# Altium PCB Radxa CM5 IO Board v2200.PcbDoc (part 7 of 8) (continued)
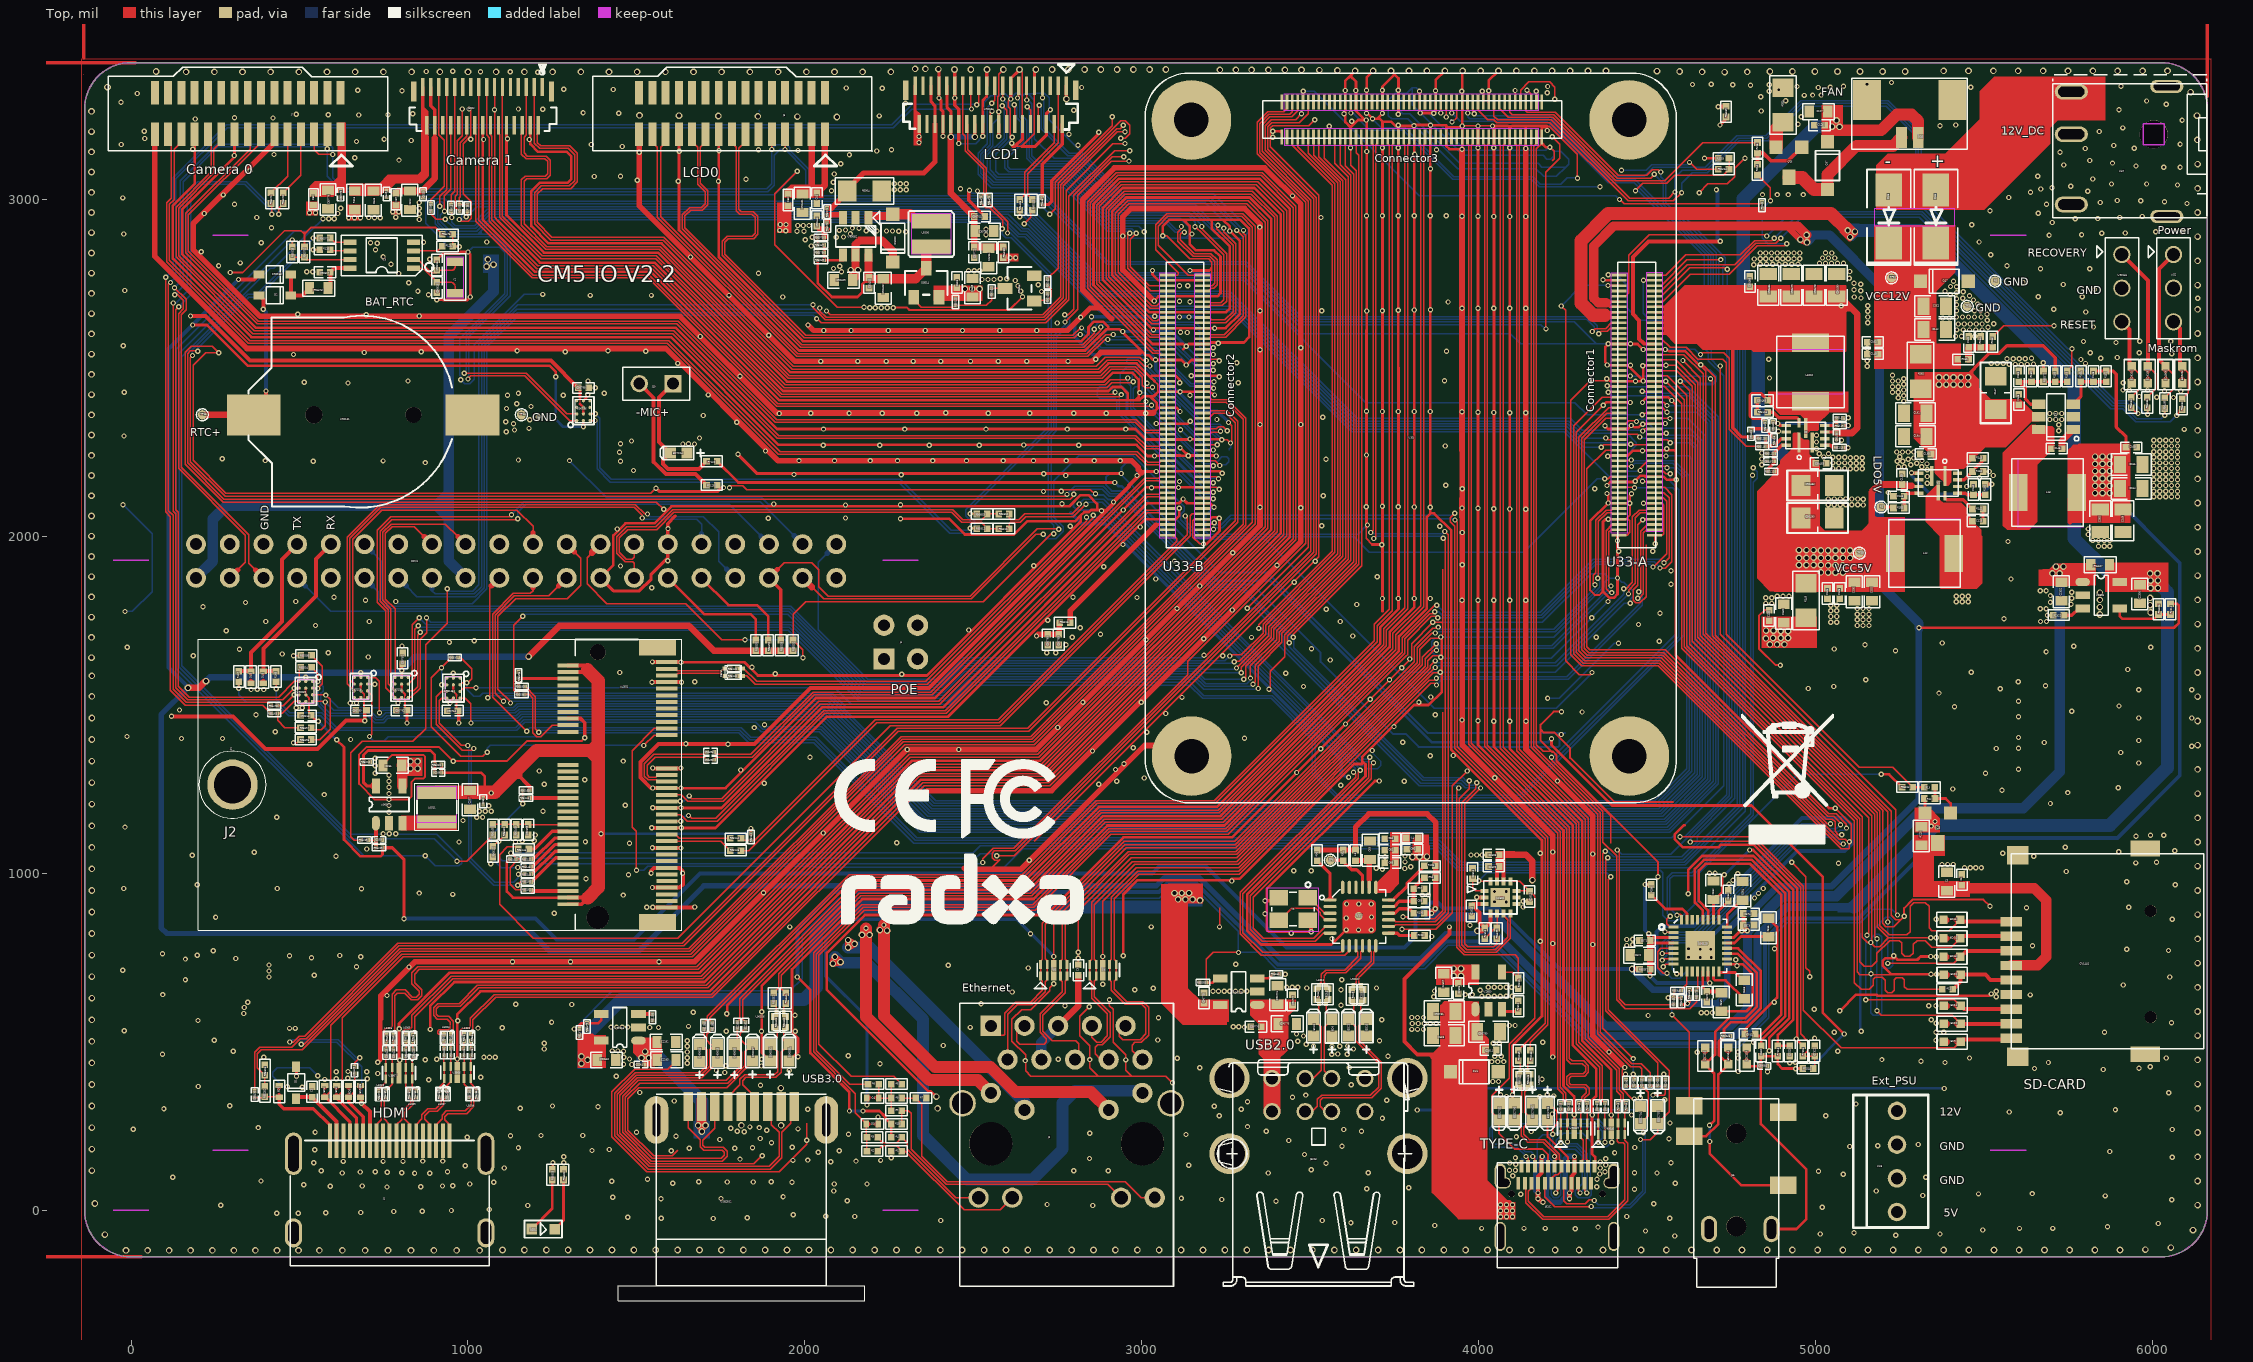
[diagram p0: Top view]
## Nets (pads, with @x,y where several pads share a name; then routed paths per layer and width w, separated by ;. In a path a pad name is that pad's centre, name@x,y a point inside that pad or via, vN(x,y) a via of type N, cw(c..) or ccw(c..) an arc to the next point about the centre after c; other vN are vias at no path point) (continued)
USBC_D+: ESD2706.1 J8202.A6 J8202.B6 L90020.3 R95547.2 | length 479.4
  Top w3.94: R95547.2@4117.13,372.05 4117.86,372.05 4117.86,372.79 4123.03,367.62 L90020.3@4123.03,365.16 4127.12,361.07 4127.12,290.21 ESD2706.1@4104.57,267.65 4125,247.22 4125,221.46 4144.69,201.77 4190.94,201.77 4230.31,162.4 4230.31,151.43 4224.95,146.06 J8202.A6@4224.95,130.51 ; v1(4228.35,51.18) 4234.25,57.09 4234.25,79.33 J8202.B6@4234.79,79.33
  Bottom w3.94: v1(4224.41,159.45) 4228.35,155.51 v1(4228.35,51.18)
USBC_D-: ESD27052.1 J8202.A7 J8202.B7 L90020.4 R95546.2 | length 415.3
  Top w3.94: R95546.2@4151.57,372.05 4144.69,372.05 L90020.4@4144.69,365.16 4144.69,360.24 4136.15,351.7 4136.15,290.21 ESD27052.1@4158.7,267.65 4154.53,267.65 4132.87,246 4132.87,225.39 4148.62,209.65 4194.88,209.65 4238.19,166.34 4238.19,151.57 4244.63,145.13 J8202.A7@4244.63,130.51 4242.13,128.01 4242.13,114.17 4233.27,105.31 4226.38,105.31 4215.1,94.04 J8202.B7@4215.1,79.33
USBHP_1N: D90032.1 L90026.3 R95553.2 USB2502.2 | length 374.7
  Top w3.94: USB2502.2@1771.72,307.18 1771.72,336.71 1807.09,372.07 1807.09,387.8 1820.87,401.57 1909.37,401.57 1919.21,411.42 1919.21,469.96 D90032.1@1896.65,492.52 1917.32,513.19 1917.32,530.51 1915.35,532.48 L90026.3@1915.35,536.42 1915.35,543.31 R95553.2@1908.46,543.31
USBHP_1P: D90031.1 L90026.4 R95550.2 USB2502.3 | length 373.2
  Top w3.94: USB2502.3@1850.46,307.18 1850.46,336.71 1814.96,372.2 1814.96,383.86 1824.8,393.7 1913.39,393.7 1929.13,409.45 1929.13,468.9 D90031.1@1952.76,492.52 1948.43,492.52 1937.01,503.94 L90026.4@1937.01,536.42 1937.01,538.88 1942.18,544.05 1942.18,543.31 R95550.2@1942.91,543.31
VBUS5V0_TYPEC: C658.1 C2611.1 C90780.1 C90781.1 D41.2 J8202.A4 J8202.A9 J8202.B4 J8202.B9 U2602.2 U2603.1 | length 3047.7
  Top w7.87: U2603.1@3989.17,596.45 3989.17,606.3 3978.04,617.43 3899.91,617.43 3888.78,606.3 3888.78,487.2 3863.19,461.61 3863.19,54.13 3940.94,-23.62 4060.04,-23.62 v1(4063.98,-19.69)
  Top w11.81: 3863.19,461.61 3816.93,461.61 3778.54,500 3778.54,686.02 3912.4,819.88 v1(3912.4,840.55) ; v1(3993.11,928.15) 3993.34,927.92 U2602.2@4015.97,927.92 ; C2611.1@4019.69,475.39 4019.69,86.58 4081.66,24.61 4090.55,24.61 v1(4099.41,15.75) ; v1(4175.2,51.18) 4175.73,58.85 J8202.B9@4175.73,79.33 4175.73,100 4185.58,109.84 J8202.A4@4185.58,130.51 4185.58,157.03 v1(4187.99,159.45) ; v1(4268.7,51.18) 4274.16,56.64 J8202.B4@4274.16,79.33 4274.16,100 4284,109.84 J8202.A9@4284,130.51 4284,151.39 v1(4283.46,159.45)
  Top w15.75: v1(4175.2,51.18) v1(4175.2,33.46) v1(4189.96,23.62) ; v1(4268.7,33.46) v1(4268.7,51.18)
  Top w19.68: C90780.1@3995.08,529.53 4019.69,504.92 C2611.1@4019.69,475.39
  Top w23.62: U2603.1@3989.17,596.45 3989.17,529.53 C90780.1@3995.08,529.53
  Power w11.81: v1(3912.4,840.55) 3993.11,921.26 v1(3993.11,928.15)
  Power w15.75: v1(4175.2,51.18) 4187.99,63.98 v1(4187.99,159.45)
  Bottom w15.75: v1(4175.2,51.18) 4168.9,57.48 4168.9,129.92 4183.37,144.39 4187.99,149.03 v1(4187.99,159.45) 4191.99,152.5 4206.69,137.8 4206.69,74.8 4200.79,68.9 4200.79,39.77 4216.93,23.62 4239.76,23.62 4255.91,39.77 4255.91,152.56 4263.78,160.43 4282.48,160.43 v1(4283.46,159.45)
  other v1: 4081.69,-19.69 4099.41,-19.69 4063.98,-1.97 4081.69,-1.97 4099.41,-1.97 4063.98,15.75 4081.69,15.75
VCC3V3_SD: C4.1 C5.1 CN14A1.4 Q1.3 R220.2 | length 594.8
  Top w31.5: C4.1@5386.81,955.71 5647.64,955.71 5684.06,919.29 5684.06,751.97 5658.46,726.38 CN14A1.4@5579.5,726.38
VCC3V3_SYS: C148.1 C149.1 C150.1 C154.1 C155.1 C156.1 CON1.1 CON1.17 FB2.1 FB6.1 FB7.1 L13.2 R4.2 R10.2 R157.1 R95530.1 | length 14548.5
  Top w7.87: v1(1977.36,691.93) 2015.75,653.54 2015.75,466.09 2131.89,349.94 v1(2131.89,294.29) ; v1(2172.24,294.29) 2221.09,294.29 2238.19,277.19 2238.19,273.62 R10.2@2255.91,255.91 R4.2@2255.91,216.54
  Top w9.84: C148.1@5823.82,2490.16 R157.1@5861.22,2490.16 5882.87,2490.16 5891.73,2481.3 5891.73,2323.82 5920.28,2295.28 C150.1@5920.28,2263.78
  Top w15.75: 5753.94,2042.32 5753.94,2110.24 L13.2@5773.62,2129.92 5773.62,2158.46 5753.94,2178.15 5753.94,2250.98 5766.73,2263.78 C150.1@5920.28,2263.78
  Power w3.94: v2@1074.8,2812.01 1075.79,2811.02 v2(1075.79,2806.1)
  Power w11.81: v1@777.56,2962.6 v1(794.29,2962.6)
  Power w78.74: v2@1074.8,2812.01 1149.61,2886.81 1919.29,2886.81 2075.79,2730.31 2348.43,2730.31 2457.68,2839.57 3336.61,2839.57 3341.54,2834.65 3531.5,2834.65
  Power w98.43: 3531.5,2834.65 4258.86,2834.65 4320.87,2896.65 4480.31,2896.65 4681.1,2695.87 4867.13,2695.87 5247.05,2315.94 5506.89,2315.94 5651.57,2171.26 v2(5828.74,2171.26)
  Bottom w7.87: v1(2131.89,294.29) v1(2172.24,294.29)
  Bottom w11.81: v1(1977.36,691.93) 1977.36,834.62 2087.63,944.88 3050.23,944.88 3074.83,969.49 3162.4,969.49 3403.54,728.35 3834.11,728.35 3903.01,797.24 4040.24,797.24 4342.41,495.08 4767.26,495.08 4848.43,576.24 4848.43,804.76 4908.83,865.16 5125.98,865.16 5365.16,1104.33 5894.69,1104.33 6079.72,1289.37 6079.72,1920.28 v2(5872.05,2127.95)
  Bottom w31.5: CON1.1@192.94,1876.36 243.11,1926.53 243.11,2051.18 282.48,2090.55 905.51,2090.55 ; CON1.17@992.94,1876.36 942.91,1926.39 942.91,2055.45 ; v2(1075.79,2806.1) 1075.79,2725.39 942.91,2592.52 942.91,2127.95 ; 905.51,2090.55 907.81,2090.55 ; 905.51,2090.55 942.91,2127.95 ; 907.81,2090.55 942.91,2055.45 ; 907.81,2090.55 942.91,2090.55 ; 942.91,2055.45 942.91,2090.55 ; 942.91,2090.55 942.91,2127.95
  other v1: 2608.27,2826.77 2625,2826.77 1942.91,2906.5 1925.2,2907.48 1926.18,2925.2 1943.9,2925.2 785.43,2946.85 529.53,2959.65 547.24,2959.65 776.57,2962.6
  other v2: 5828.74,2127.95 5850.39,2127.95 5828.74,2149.61 5850.39,2149.61 5872.05,2149.61 5850.39,2171.26 5872.05,2171.26 5828.74,2192.91 5850.39,2192.91 5872.05,2192.91 5828.74,2214.57 5850.39,2214.57 5872.05,2214.57 5828.74,2236.22 5850.39,2236.22 5872.05,2236.22 1055.12,2800.2 1059.06,2821.85
VCC3V3_WF: C266.1 C267.1 C268.1 L5011.2 R95151.2 R95153.2 R95154.2 R95281.1 U4301.2 U4301.4 U4301.72 U4301.74 U90135.A2 | length 3074.9
  Top w3.94: 1386.81,1116.14 1394.69,1116.14 v1(1394.69,1117.13)
  Top w7.87: R95281.1@921.26,1321.85 C266.1@921.26,1298.23 1038.39,1298.23 1050.2,1286.42 1050.2,1240.28 ; U90135.A2@956.7,1578.74 v1(956.69,1593.5) ; R95154.2@1124.96,1042.31 1115.16,1032.51 1115.16,945.87 1133.51,927.52 U4301.72@1296.47,927.52 ; R95151.2@1839.57,1117.13 v1(1839.57,1132.87)
  Top w9.84: C267.1@1003.94,1240.28 1003.94,1245.08 C267.1@1005.91,1245.08 ; C268.1@1045.28,1223.43 1045.28,1235.36 1050.2,1240.28 ; v1@1066.81,1240.28 v1(1068.9,1238.19)
  Top w11.81: 1134.84,1295.28 1144.63,1295.28 1182.05,1257.86 R95153.2@1182.05,1246.05 ; U4301.74@1296.47,907.83 1336.97,907.83 1355.31,926.18 1355.31,927.52 U4301.72@1296.47,927.52 ; U4301.4@1296.47,1596.81 1347.79,1596.81 1354.33,1603.35 1354.33,1616.5 U4301.2@1296.47,1616.5
  Top w39.37: L5011.2@907.48,1240.28 1003.94,1240.28 1050.2,1240.28 1066.81,1240.28 1079.85,1240.28 1134.84,1295.28 1203.74,1364.17 1386.81,1364.17 ; 1354.33,1603.35 1386.81,1570.87 1386.81,1364.17 ; 1355.31,926.18 1386.81,957.68 1386.81,1116.14 1386.81,1364.17
  Power w9.84: v1(956.69,1593.5) 971.46,1608.27 1060.04,1608.27 1083.66,1584.65 1083.66,1252.95 v1(1068.9,1238.19)
  Bottom w7.87: v1(1394.69,1117.13) 1823.82,1117.13 v1(1839.57,1132.87)
VCC5V0_SYS: C126.2 C127.2 C135.1 C136.1 C137.1 C138.1 C139.1 C265.1 C558.1 C559.1 C2606.1 C2607.1 C2608.1 C2609.1 C90480.1 C90483.1 C90484.1 C90789.1 C90790.1 CON1.2 CON1.4 D1.1 D37.2 L12.2 Q9514.2 R148.2 R316.1 R95041.1 R95122.2 R95616.2 TP10.1 U1.1 U26.2 U27.5 U28.4 U2602.12 U2602.13 U2603.5 U90077.4 | length 4884.2
  Top w7.87: D1.1@490.16,425.2 491.14,425.2 v1(491.14,397.64)
  Top w9.84: R95122.2@4876.97,2191.93 4898.62,2213.58 4898.62,2223.43 4935.04,2259.84 4935.04,2302.17 4947.82,2302.17 4949.8,2300.19 U1.1@4949.8,2277.56 4949.8,2293.58 4961.88,2281.5 4975.4,2281.5 4975.4,2242.13 5007.87,2209.65 5007.87,2028.54 5024.61,2011.81 5199.8,2011.81 5235.24,1976.38 L12.2@5235.24,1948.82 5235.24,1923.23 5209.65,1897.64 5166.34,1897.64 5114.17,1897.64 ; 5034.45,1870.08 5070.87,1870.08 ; 5283.46,2149.61 5285.43,2147.64 U27.5@5306.1,2147.64
  Top w11.81: U2602.13@4053.77,975.56 4053.77,1013.41 C2609.1@4060.04,1019.68 ; C2608.1@4060.04,1055.12 C2609.1@4060.04,1019.68 ; U2602.12@4073.45,975.56 4073.45,1005.67 4060.04,1019.08 C2609.1@4060.04,1019.68 ; R95122.2@4876.97,2191.93 4876.97,1866.14 5235.24,1866.14 L12.2@5235.24,1948.82
  Top w15.75: v1(2687.01,1703.74) 2691.93,1708.66 C90790.1@2720.47,1708.66 C90789.1@2752.95,1708.66 2754.43,1708.66 2754.43,1743.11 R95616.2@2755.91,1743.11
  Top w19.68: C2608.1@4060.04,1055.12 4138.78,1055.12 4158.46,1035.43 v2(4158.46,979.33) ; 5166.34,1897.64 5165.35,1898.62 5165.35,2130.91 5187.99,2153.54 C139.1@5255.91,2153.54 5255.91,2149.61 5283.46,2149.61
  Top w31.5: C265.1@803.11,1319.87 805.08,1319.87 U90077.4@805.08,1258.85
  Top w35.43: D37.2@5034.45,3170.28 5034.45,3204.72 ; C127.2@5035.43,3259.84 5035.43,3218.5 5034.45,3217.52 5034.45,3204.72 ; U26.2@5303.15,3183.07 5303.15,3232.28 5284.45,3250.98 5240.16,3250.98 5193.9,3204.72 5034.45,3204.72
  Power w9.84: v2(3946.85,694.88) 3950.83,694.88 4158.46,902.52 v2(4158.46,979.33)
  Bottom w39.37: v2(4971.46,1958.66) 4971.46,2171.75 4828.74,2314.47 4828.74,2674.47 4784.45,2718.76 4784.45,3001.23 4998.76,3215.55 v2(5048.23,3215.55)
  other v1: 244.09,769.68 645.67,2944.88 663.39,2944.88 681.1,2944.88
  other v2: 3925.2,694.88 3925.2,716.54 3946.85,716.54 828.74,1310.04 850.39,1310.04 828.74,1331.69 850.39,1331.69 5036.42,1891.73 5058.07,1891.73 5079.72,1891.73 5014.76,1892.72 5036.42,1913.39 5058.07,1913.39 5079.72,1913.39 4949.8,1914.37 4971.46,1914.37 4993.11,1914.37 5014.76,1914.37 4949.8,1936.02 4971.46,1936.02 5014.76,1936.02 5036.42,1936.02 5058.07,1936.02 5079.72,1936.02 5101.38,1936.02 4993.11,1937.01 5014.76,1957.68 5036.42,1957.68 5058.07,1957.68 5079.72,1957.68 5101.38,1957.68 4949.8,1958.66 4993.11,1958.66 2474.41,2734.25 2496.06,2734.25 2517.72,2734.25 5069.88,3214.57 5061.02,3234.25
VCC5V0_USB: C85.1 C130.1 C131.1 C90582.2 C90773.1 L4.1 R148.1 R91375.1 U90115.5 U90128.5 | length 3114.8
  Top w3.94: v2(4895.67,1718.5) 4883.86,1716.54 4881.89,1716.54 4881.89,1751.97 4908.46,1751.97 4914.86,1758.37 R148.1@4970.96,1758.37
  Top w11.81: R91375.1@1330.71,517.72 1368.11,517.72 1382.87,502.95 U90115.5@1395.67,502.95
  Top w19.68: v2(3118.11,940.94) 3150.59,940.94 v2(3172.24,919.29) ; 3218.5,591.54 3232.28,605.31 U90128.5@3232.28,609.25 ; 3831.69,1073.82 3820.87,1073.82 C85.1@3817.91,1070.87 ; C85.1@3817.91,1070.87 L4.1@3819.88,1104.33 ; C85.1@3817.91,1070.87 v2(3823.82,1049.21) v2(3845.47,1049.21) ; L4.1@3819.88,1104.33 3812.01,1096.46 3812.01,1048.23 v2(3802.17,1048.23) 3802.17,1047.44 3845.47,1047.44 v2(3845.47,1049.21) ; L4.1@3819.88,1104.33 3845.47,1078.74 v2(3845.47,1049.21)
  Top w59.06: v2(3107.28,922.24) 3107.28,647.04 3162.78,591.54 3218.5,591.54
  Bottom w19.68: v2(3823.82,1049.21) v2(3845.47,1049.21)
  Bottom w39.37: v2(1355.31,445.87) 1355.31,525.59 1454.72,625 1997.05,625 2033.46,661.42 2033.46,821.85 2111.22,899.61 3106.3,899.61 v2(3128.94,922.24)
  other v2: 1336.61,435.04 1336.61,456.69 3150.59,922.24 3096.46,940.94 3139.76,940.94 4863.19,1679.13 4884.84,1679.13 4906.5,1679.13 4851.38,1696.85 4873.03,1697.83 4895.67,1697.83 4917.32,1697.83 4917.32,1718.5 4852.36,1719.49 4874.02,1719.49
VCC5V0_USB1: C2282.1 C2283.1 C2284.1 U90115.1 USB2502.1 | length 538.8
  Top w11.81: U90115.1@1505.91,502.95 1505.91,461.61 1523.62,443.9 C2284.1@1523.62,432.09 1552.17,432.09 1560.04,439.96 1560.04,443.9 C2283.1@1562.01,445.87
  Top w19.68: U90115.1@1505.91,502.95 1561.02,502.95 C2282.1@1561.02,499.02
  Top w27.56: C2282.1@1561.02,499.02 1562.01,499.02 C2283.1@1562.01,445.87
  Bottom w39.37: v2(1536.42,451.77) 1565.94,451.77 1693.9,323.82 v2(1693.9,233.27)
  other v2: 1683.07,251.97 1704.72,251.97 1514.76,451.77 1525.59,470.47
VCC12V: C132.1 C133.1 C134.1 C146.1 C147.1 R149.2 R150.1 R158.1 U27.1 U28.1 U29.5 | length 4494.4
  Top w9.84: R158.1@5710.63,2490.16 5710.63,2529.53 5675.2,2564.96 5566.93,2564.96 5544.29,2542.32 5514.76,2542.32 5428.15,2455.71 v2@5425.2,2455.71 ; v2@5425.2,2455.71 5420.28,2460.63 5311.02,2460.63 R150.1@5311.02,2437.99 5294.29,2421.26 5294.29,2292.25 5341.99,2244.55 5341.54,2244.55 C133.1@5341.54,2244.09 5357.28,2228.35 5357.28,2188.98 5382.87,2163.39 U27.1@5382.88,2179.13 5382.87,2154.53 5391.34,2154.53 5397.76,2160.95 5397.64,2161.07 5397.64,2195.6 5406.76,2204.72 5437.99,2204.72 R149.2@5464.57,2231.3 5464.57,2231.76 5464.11,2231.76 5501.05,2268.7 5562.01,2268.7 5638.78,2345.47 5661.42,2345.47 U29.5@5661.42,2354.33 5661.42,2352.89 5654.07,2352.89 5605.38,2401.57 5479.33,2401.57 v2@5425.2,2455.71
  Power w78.74: U28.1@5240.58,294.47 5429.31,294.47 5827.76,692.91 5827.76,1618.11 5938.98,1729.33 5938.98,2280.51 5769.69,2449.8 v2(5451.77,2449.8)
  other v2: 5365.16,2449.8 5386.81,2449.8 5408.46,2449.8 5430.12,2449.8 5365.16,2471.46 5386.81,2471.46 5408.46,2471.46 5430.12,2471.46 5451.77,2471.46
VCC12V_DCIN: C140.1 C142.1 C151.2 C152.1 D45.2 D46.2 D47.2 R150.2 R151.2 TP9.1
VCC_1V8_S0: C90618.2 R2311.1 R90337.1 R95209.1 R95467.1 R95557.1 R95558.1 U33.88 U33.90 U90089.B2 U90089.C2 | length 12724.2
  Top w2.95: 528.55,1502.29 528.55,1516.01
  Top w5.91: U90089.C2@518.71,1529.53 528.55,1519.69 528.55,1516.01 ; 528.55,1502.29 528.55,1468.5 C90618.2@534.45,1468.5
  Top w7.87: U90089.C2@518.71,1529.53 U90089.B2@518.71,1549.21 ; C90618.2@534.45,1468.5 552.17,1450.79 v1(556.1,1450.79) ; v1(610.24,1395.67) 631.89,1374.02 631.89,1099.41 681.1,1050.2 740.16,1050.2 746.06,1056.1 R95209.1@746.06,1075.79 ; U33.88@4415.75,2680.51 4389.37,2680.51 4377.95,2691.93 4377.95,2692.91 4381.3,2696.26 U33.90@4415.75,2696.26 ; v1(5306.1,1728.35) 6062.99,1728.35 6076.77,1742.13 6076.77,1794.29 6071.85,1799.21 R2311.1@6052.17,1799.21
  Top w9.84: R95209.1@746.06,1075.79 775.59,1075.79 810.04,1041.34 v1(810.04,865.16) ; R95467.1@2703.74,2984.25 2722.44,2984.25 2732.28,2994.09 2732.28,3054.68 2872.05,3194.45 v1(2872.05,3198.82) ; R90337.1@4600.39,610.24 4616.14,610.24 v1(4619.09,613.19) 4624.38,618.48 R95558.1@4624.38,633.06
  Top w15.75: v2(4454.72,715.55) 4476.38,715.55 R95557.1@4476.38,714.57
  Top w19.68: 4913.39,2920.28 v2(4953.74,2879.92) ; v2(4972.44,2893.7) 4963.58,2887.17 ; v2(4953.74,2879.92) 4963.58,2887.17 ; v2(4953.74,2879.92) v2(4973.43,2872.05) 4973.43,2877.33 4963.58,2887.17
  Top w27.56: 4377.95,2692.91 4354.08,2692.91 4340.55,2706.44 4340.55,2861.22 4399.61,2920.28 4913.39,2920.28 4945.87,2920.28 v2(4972.44,2893.7)
  Power w11.81: v1(2872.05,3198.82) 2872.05,3120.08 2953.74,3038.39 3447.83,3038.39 3517.72,2968.5 4897.64,2968.5 v2(4972.44,2893.7)
  Bottom w7.87: v1(556.1,1450.79) 556.1,1449.8 v1(610.24,1395.67)
  Bottom w11.81: v1(810.04,865.16) 1200.79,865.16 1262.8,803.15 1492.13,803.15 1687.99,999.02 3030.51,999.02 3052.17,1020.67 3187.99,1020.67 3429.13,779.53 3779.53,779.53 3812.01,812.01 3812.01,867.07 3857.34,912.4 3877.95,912.4 3894.69,895.67 4058.8,895.67 4238.92,715.55 v2(4454.72,715.55)
  Bottom w19.68: v2(4454.72,715.55) 4515.75,654.53 4597.44,654.53 4619.09,632.87 ; v2(4972.44,2893.7) v2(4953.74,2879.92) v2(4973.43,2872.05) 4978.63,2872.05 4998.03,2891.45 4998.03,2893.7 ; v1(5306.1,1728.35) 5305.12,1706.69 5305.12,1219.49 5047.24,961.61 4887.8,961.61 4807.09,880.91 4787.4,880.91 4737.2,830.71 4737.2,642.72 4707.68,613.19 4638.78,613.19 ; 4619.09,632.87 v1(4619.09,613.19) 4638.78,613.19 ; 4619.09,632.87 4638.78,613.19
  Bottom w27.56: v2(4972.44,2893.7) 4998.03,2893.7 5040.35,2893.7 5188.98,2745.08 5188.98,1859.25 5306.1,1742.13 v1(5306.1,1728.35)
VCC_1V8_S3: C90782.2 C90783.2 C90784.2 C90788.2 R4203.2 R95589.2 U90132.B2 U90132.C2 U90133.B2 U90133.C2 U90135.B2 U90135.C2 U90136.B2 U90136.C2 | length 9753.5
  Top w2.95: 691.93,1514.62 691.93,1525.67 ; 812.99,1513.16 812.99,1527.82 ; 966.54,1512.59 966.54,1525.85 ; 1332.43,2392.36 1332.43,2410.01
  Top w3.94: U90133.C2@682.09,1541.34 691.93,1531.5 691.93,1525.67
  Top w5.91: 691.93,1514.62 691.93,1490.15 C90783.2@698.82,1483.27 ; U90132.C2@803.15,1541.34 812.99,1531.5 812.99,1527.82 ; 812.99,1513.16 812.99,1489.17 C90782.2@818.9,1483.27 ; U90135.C2@956.7,1539.37 966.54,1529.53 966.54,1525.85 ; 966.54,1512.59 966.54,1486.22 C90784.2@970.47,1482.28
  Top w7.87: U90133.C2@682.09,1541.34 U90133.B2@682.09,1561.02 ; U90132.C2@803.15,1541.34 U90132.B2@803.15,1561.02 ; U90135.C2@956.7,1539.37 U90135.B2@956.7,1559.05 ; C90788.2@1327.12,2440.33 1332.43,2435.01 1332.43,2410.01 ; 1332.43,2392.36 1342.27,2382.52 U90136.C2@1342.27,2382.45 U90136.B2@1342.27,2362.77 ; v1(4669.29,3122.05) R4203.2@4710.63,3122.05
  Top w9.84: v1(693.9,1452.76) 693.9,1483.27 C90783.2@698.82,1483.27 ; v1(818.9,1445.87) C90782.2@818.9,1483.27 ; C90784.2@970.47,1482.28 972.44,1482.28 v1(972.44,1445.87)
  Top w11.81: v1(120.08,1465.55) 302.17,1465.55 398.62,1369.09 553.9,1369.09 637.56,1452.76 v1(693.9,1452.76) ; v1(176.46,2653.33) 221.12,2653.33 352.81,2521.64 1245.8,2521.64 C90788.2@1327.12,2440.33 ; v1(4710.63,3274.61) 4733.27,3274.61 R95589.2@4733.27,3275.59
  Power w7.87: v1(4669.29,3122.05) 4669.29,3213.58 4710.63,3254.92 v1(4710.63,3274.61)
  Power w9.84: v1(693.9,1452.76) 700.79,1445.87 v1(818.9,1445.87) v1(972.44,1445.87)
  Power w11.81: v1(120.08,1465.55) 91.54,1494.09 91.54,2640.13 84.65,2647.02 ; v1(176.46,2653.33) 97.51,2653.33 ; v1(4710.63,3274.61) 4646.65,3274.61 4372.05,3000 3531.5,3000 3465.55,3065.94 2964.57,3065.94 2908.46,3122.05 2908.46,3207.68 2759.84,3356.3 2316.93,3356.3 2256.89,3296.26 113.19,3296.26 84.65,3267.72 84.65,2666.19 ; 84.65,2647.02 90.95,2653.33 97.51,2653.33 ; 84.65,2647.02 84.65,2666.19 ; 84.65,2666.19 97.51,2653.33
VCC_3V3_S0: C573.1 C574.1 C2332.1 L3.2 R91.1 R94.1 R96.1 R105.1 R106.1 R95607.2 U2305.1 U90129.22 | length 4680.2
  Top w9.06: U90129.22@4736.4,808.69 4755.7,808.69 4784.63,837.62 C573.1@4784.63,846.09
  Top w11.81: C573.1@4784.63,846.09 C574.1@4784.63,880.54
  Top w13.78: v1(4779.53,828.74) v1(4796.26,828.74) 4796.94,829.2 4785.6,846.09 C573.1@4784.63,846.09
  Top w15.75: R96.1@3519.69,1068.9 R91.1@3597.44,1068.9 L3.2@3633.86,1068.9 3633.86,1136.81 3673.23,1176.18 3846.46,1176.18 3872.05,1150.59 R105.1@3872.05,1021.65 ; v1(3859.25,880.91) 3837.79,880.91 R106.1@3837.79,881.2 3858.27,881.2 3872.05,894.98 R94.1@3872.05,988.19 ; R94.1@3870.08,986.22 R94.1@3872.05,988.19 ; R105.1@3870.08,1021.65 R105.1@3872.05,1021.65 ; R94.1@3872.05,988.19 R105.1@3872.05,1021.65
  Top w19.68: 5676.18,1868.11 5676.18,1873.03 ; U2305.1@5791.34,1864.17 5803.15,1864.17 5803.15,1892.72 5676.18,1892.72 5676.18,1873.03 ; 5802.89,1892.57 5786.02,1909.45 v2(5734.25,1909.45) v2(5712.6,1909.45) 5676.18,1873.03
  Top w23.62: 5676.18,1868.11 5676.18,1864.17 U2305.1@5791.34,1864.17
  Bottom w9.84: v1(3870.08,894.68) 3893.7,871.06
  Bottom w11.81: v1(3859.25,880.91) 3843.5,865.16 3863.19,865.16 3869.09,871.06
  Bottom w15.75: v1(3859.25,880.91) v1(3870.08,894.68) ; v1(4796.26,828.74) v1(4779.53,828.74) ; 4797.24,811.02 v1(4779.53,828.74) ; 4815.94,847.44 4798.23,847.44 v1(4779.53,828.74)
  Bottom w19.68: v2(5701.77,1889.76) v2(5712.6,1909.45) v2(5734.25,1909.45) v2(5723.43,1889.76) v2(5701.77,1889.76)
  Bottom w27.56: v1(3859.25,880.91) 3869.09,871.06 ; 3893.7,871.06 4049.21,871.06 4374.02,546.26 4746.06,546.26 4797.24,597.44 4797.24,800.2 v1(4796.26,828.74) ; 4797.24,811.02 v1@4797.24,828.74
  Bottom w31.5: v1(4796.26,828.74) 4797.24,828.74 4815.94,847.44 4900.59,932.09 5060.04,932.09 5320.87,1192.91 5615.16,1192.91 5723.43,1301.18 v2(5723.43,1889.76)
VCC_3V3_S3: C2330.1 C2614.1 C90787.2 D90038.1 Q1.2 R12.1 R220.1 R2613.1 R9241.1 R95572.1 R95590.1 R95591.1 R95592.1 R95593.1 R95607.1 U33.84 U33.86 U2305.5 U2602.3 U2602.4 U90089.A2 U90132.A2 U90133.A2 U90136.A2 | length 16039.4
  Top w3.94: 4838.58,2957.68 4838.58,2972.44 R9241.1@4840.55,2972.44
  Top w7.87: v1(182.7,2626.59) 225.58,2626.59 346.27,2505.91 1242.05,2505.91 1260.83,2487.13 v1(1260.83,2473.43) ; U90089.A2@518.71,1568.9 v1(518.7,1581.69) ; U90133.A2@682.09,1580.71 v1(682.09,1594.49) ; U90132.A2@803.15,1580.71 v1(803.15,1602.36) ; C90787.2@803.15,1622.05 C90787.2@806.1,1622.05 ; U90136.A2@1342.27,2343.08 1342.27,2325.05 v1(1342.52,2324.8) ; U33.84@4415.75,2649.02 4379.53,2649.02 4373.03,2655.51 4382.28,2664.76 U33.86@4415.75,2664.76 ; R12.1@5321.85,1221.46 5323.63,1221.46 Q1.2@5323.63,1178.86
  Top w9.84: v1(5674.21,2514.76) 5673.67,2514.76 5675.2,2512.8 R95572.1@5675.2,2490.16
  Top w11.81: v1(318.9,2761.81) 365.16,2761.81 D90038.1@379.92,2776.57 ; v1(803.15,1602.36) C90787.2@803.15,1622.05 ; U2602.3@4015.97,908.24 3983.04,908.24 C2614.1@3978.35,903.54 3980.79,903.54 4000.98,883.35 4000.98,853.73 R2613.1@4017.35,837.37 4034.08,854.1 U2602.4@4034.08,880.28
  Top w15.75: v2(3995.08,828.74) 4008.72,828.74 R2613.1@4017.35,837.37
  Top w19.68: v2(169.29,1550.2) 201.77,1550.2 221.46,1569.88 v2(222.44,1569.88) ; v2(1180.12,1642.72) 1271.65,1734.25 1655.51,1734.25 1729.33,1660.43 R95591.1@1854.33,1660.43 R95590.1@1890.75,1660.43 R95593.1@1928.15,1660.43 R95592.1@1964.57,1660.43 ; 4763.78,2957.68 4764.76,2957.68
  Top w31.5: U2305.5@5901.58,1864.17 5961.61,1864.17 C2330.1@5961.61,1856.3
  Top w39.37: 4373.03,2655.51 4338.58,2655.51 4303.15,2690.94 4303.15,2876.71 4384.11,2957.68 4763.78,2957.68 ; 4764.76,2957.68 4838.58,2957.68 5044.29,2957.68 v2(5094.49,2907.48)
  Bottom w7.87: v1(1260.83,2473.43) 1260.83,2346.46 1282.48,2324.8 v1(1342.52,2324.8)
  Bottom w11.81: v2(169.29,1550.2) 170.28,1551.18 111.22,1610.24 111.22,2555.12 v1(182.7,2626.59) 318.41,2762.3 v1(318.9,2761.81) ; v1(5674.21,2514.76) 5688.6,2529.15 5691.93,2525.82
  Bottom w15.75: v2(169.29,1550.2) 89.57,1470.47 89.57,837.6 106.3,820.87 1190.94,820.87 1242.13,769.68 1506.89,769.68 1699.8,962.6 3042.89,962.6 3067.49,987.2 3169.74,987.2 3410.88,746.06 3826.77,746.06 3901.57,820.87 3987.2,820.87 v2(3995.08,828.74)
  Bottom w19.68: v2(222.44,1569.88) 234.25,1581.69 v1(518.7,1581.69) 531.5,1594.49 v1(682.09,1594.49) 795.28,1594.49 v1(803.15,1602.36) 843.5,1642.72 v2(1180.12,1642.72)
  Bottom w23.62: v2(3995.08,828.74) 4039.37,828.74 4351.38,516.73 4758.29,516.73 4826.77,585.21 4826.77,813.73 4912.65,899.61 5112.2,899.61 ; v2(5993.11,1846.46) 6030.51,1846.46
  Bottom w39.37: v2(5094.49,2907.48) 5310.27,2907.48 5688.6,2529.15 ; 5112.2,899.61 5354.33,1141.73 5872.05,1141.73 6043.31,1312.99 6043.31,1833.66 6030.51,1846.46 ; 5691.93,2525.82 5766.73,2451.01 5766.73,1993.11 5870.08,1889.76 v2(5992.13,1889.76)
  other v1: 5360.24,1135.83 5342.52,1139.76 5353.35,1153.54
  other v2: 6014.76,1846.46 5993.11,1868.11 6014.76,1868.11 6013.78,1889.76 5101.57,2887.4 5115.35,2903.54
VCC_LDO5V: P4.1 R155.1 | length 40.4
  Top w9.84: P4.1@5192.91,2086.61 5230.31,2086.61 R155.1@5230.31,2083.66
VCC_LEDA: C90409.1 D5000.2 U90082.5 U90104.38 U90104.39 | length 1008.9
  Top w9.84: v2(2135.83,2789.37) 2135.83,2759.84 C90409.1@2141.73,2759.84 ; U90104.39@2326.77,3336.61 2326.77,3261.81 2338.58,3250 U90104.38@2338.58,3223.43 v1(2338.58,3186.02)
  Top w15.75: v1(2338.58,3168.31) v1(2338.58,3186.02)
  Top w23.62: C90409.1@2141.73,2759.84 2150.59,2768.7 U90082.5@2150.59,2834.65 2150.59,2866.14 2162.4,2877.95 2228.35,2877.95 2260.82,2845.48 D5000.2@2260.82,2813.97
  Power w19.68: v1(2338.58,3168.31) v1(2338.58,3186.02)
  Power w23.62: v2(2135.83,2789.37) v2(2157.48,2789.37)
  Power w27.56: v2(2157.48,2789.37) 2220.47,2789.37 2338.58,2907.48 v1(2338.58,3168.31)
VCC_LEDK: R5004.1 R95071.2 U90104.34 U90104.35 | length 628.7
  Top w9.84: U90104.35@2374.02,3336.61 2374.02,3289.37 2385.83,3277.56 U90104.34@2385.83,3223.43
  Top w15.75: R95071.2@2065.94,2973.43 2079.02,2973.43 2130.2,3024.61 2120.64,3024.61 R5004.1@2125,3024.61 2125,3028.54 2174.21,3077.76 2352.36,3077.76 2385.83,3111.22 U90104.34@2385.83,3223.43
VCC_MIPI: C34.1 C90431.1 FB6.2 J6.1 J6.2 | length 473.3
  Top w19.68: FB6.2@1949.8,3015.75 C90431.1@1992.13,3015.75 ; J6.2@2019.69,3192.91 2019.69,3022.64 2012.8,3015.75 C90431.1@1992.13,3015.75 ; J6.1@2059.06,3192.91 2059.06,3042.32 C34.1@2035.43,3018.7 1992.13,3018.7 C90431.1@1992.13,3015.75
VCC_RTC: D2.2 D90038.2 R95373.1 | length 125.6
  Top w11.81: D90038.2@474.41,2776.57 D2.2@474.41,2714.92 508.23,2714.92 R95373.1@529.53,2736.22
VCC_SYSIN: C90478.1 C90479.1 C90481.2 C90485.1 C90486.1 C90488.1 C90490.1 L5002.2 R95120.1 R95603.1 U1.5 U33.77 U33.79 U33.81 U33.83 U33.85 U33.87 | length 11857.6
  Top w7.87: R95603.1@1250,121.06 1251.97,121.06 v1(1251.97,140.75) ; U33.77@4520.47,2601.77 4798.23,2601.77 4858.27,2661.81 C90485.1@4858.27,2711.61 ; U33.79@4520.47,2617.52 4764.17,2617.52 C90485.1@4858.27,2711.61 ; U33.81@4520.47,2633.27 4767.72,2633.27 4846.06,2711.61 C90485.1@4858.27,2711.61 ; U33.83@4520.47,2649.02 4758.86,2649.02 4804.13,2694.29 4804.13,2712.99 ; U33.85@4520.47,2664.76 4755.91,2664.76 4804.13,2712.99 ; U33.87@4520.47,2680.51 4551.18,2680.51 ; 4732.87,2633.27 4815.94,2550.2 4937.01,2550.2 4960.63,2573.82 L5002.2@4984.25,2573.82 5007.87,2550.2 5086.61,2550.2 5086.61,2742.13 4612.8,2742.13 4551.18,2680.51 ; 4551.18,2680.51 4734.25,2680.51 4793.9,2740.16 C90488.1@4804.13,2740.16 4804.13,2712.99
  Top w9.84: C90488.1@4804.13,2740.16 4753.54,2689.57 4753.54,2321.26 4780.51,2294.29 C90481.2@4807.09,2294.29 4825.79,2294.29 R95120.1@4830.71,2289.37 ; U1.5@5026.58,2309.05 5058.07,2309.05 C90486.1@5061.02,2306.1
  Top w19.68: C90486.1@5061.02,2306.1 5107.28,2306.1 5123.03,2321.85 5123.03,2658.46 5069.88,2711.61 C90490.1@5062.01,2711.61
  Power w7.87: v1(1251.97,140.75) 1272.64,120.08 2322.83,120.08 2482.28,-39.37 3450.79,-39.37 3787.4,297.24 v1(3816.93,297.24) ; v1(5074.8,2684.06) 5359.25,2399.61 5751.97,2399.61 5891.73,2259.84 5891.73,1748.9 5780.51,1637.68 5780.51,712.48 5429.25,361.22 v1(5380.91,361.22)
  Bottom w7.87: v1(3816.93,297.24) 3937.99,297.24 4002.95,362.2 5379.92,362.2 v1(5380.91,361.22)
VCCIO_FLASH: R95374.2 R95375.1 R95589.1 U33.73 | length 7212.4
  Top w4.92: v1(294.29,2782.48) 331.69,2782.48 455.71,2906.5 503.94,2906.5 508.86,2901.57 ; 514.76,2895.67 508.86,2901.57 ; 520.67,2901.57 508.86,2901.57
  Top w5.91: R95374.2@514.76,2859.25 514.76,2895.67 520.67,2901.57 535.43,2916.34 902.56,2916.34 R95375.1@923.23,2895.67
  Top w7.87: 4489.17,2571.85 4492.13,2570.28 U33.73@4520.47,2570.28
  Top w9.84: v1(4715.55,3220.47) 4733.27,3238.19 R95589.1@4733.27,3244.09
  Top w11.81: 4489.17,2571.85 4475.39,2585.63 4475.39,2640.75 4456.69,2659.45 4456.69,2828.74 4502.95,2875 v1(4716.54,2875)
  Power w5.91: v1(294.29,2782.48) 193.9,2782.48 97.44,2878.94 97.44,3262.42 118.49,3283.46 2262.19,3283.46 2322.23,3343.5 2752.99,3343.5 2886.81,3209.69 2886.81,3125.61 2961.24,3051.18 3453.13,3051.18 3520.06,2984.25 4690.94,2984.25 4704.72,2998.03 v1(4704.72,3028.54)
  Power w15.75: v1(4704.72,3028.54) 4704.72,3209.65 v1(4715.55,3220.47)
  Bottom w11.81: v1(4704.72,3028.54) 4707.68,3025.59 4707.68,2883.86 v1(4716.54,2875)
VD33: C83.2 L3.1 U17.20 | length 133.7
  Top w9.84: U17.20@3674.4,957.97 3674.4,981.11 ; C83.2@3674.4,1037.59 C83.2@3677.17,1040.35
  Top w15.75: L3.1@3633.86,1037.4 3677.17,1037.4 C83.2@3677.17,1040.35 3674.4,1037.59 3674.4,981.11
WIFI_HOST_WAKE: R95613.1 U4301.21 | length 4679.6
  Top w3.94: v1(1500,1008.86) 1500,1124.02 1487.2,1136.81 1487.2,1363.98 1552.72,1429.49 U4301.21@1589.78,1429.49
  Top w7.87: v1(5193.9,1293.31) 5217.52,1293.31 R95613.1@5255.41,1255.41
  Bottom w3.94: v1(1500,1008.86) 1521.65,1008.86 1533.46,1020.67 2026.57,1020.67 2029.53,1017.72 2591.54,1017.72 2646.65,1072.83 3872.72,1072.83 3936.7,1008.86 4537.4,1008.86 4545.28,1000.98 4545.28,875.2 4562.21,858.27 4590.35,858.27 4649.09,917 4649.09,996.58 4945.81,1293.31 v1(5193.9,1293.31)